# KiCad board vme-wren.kicad_pcb
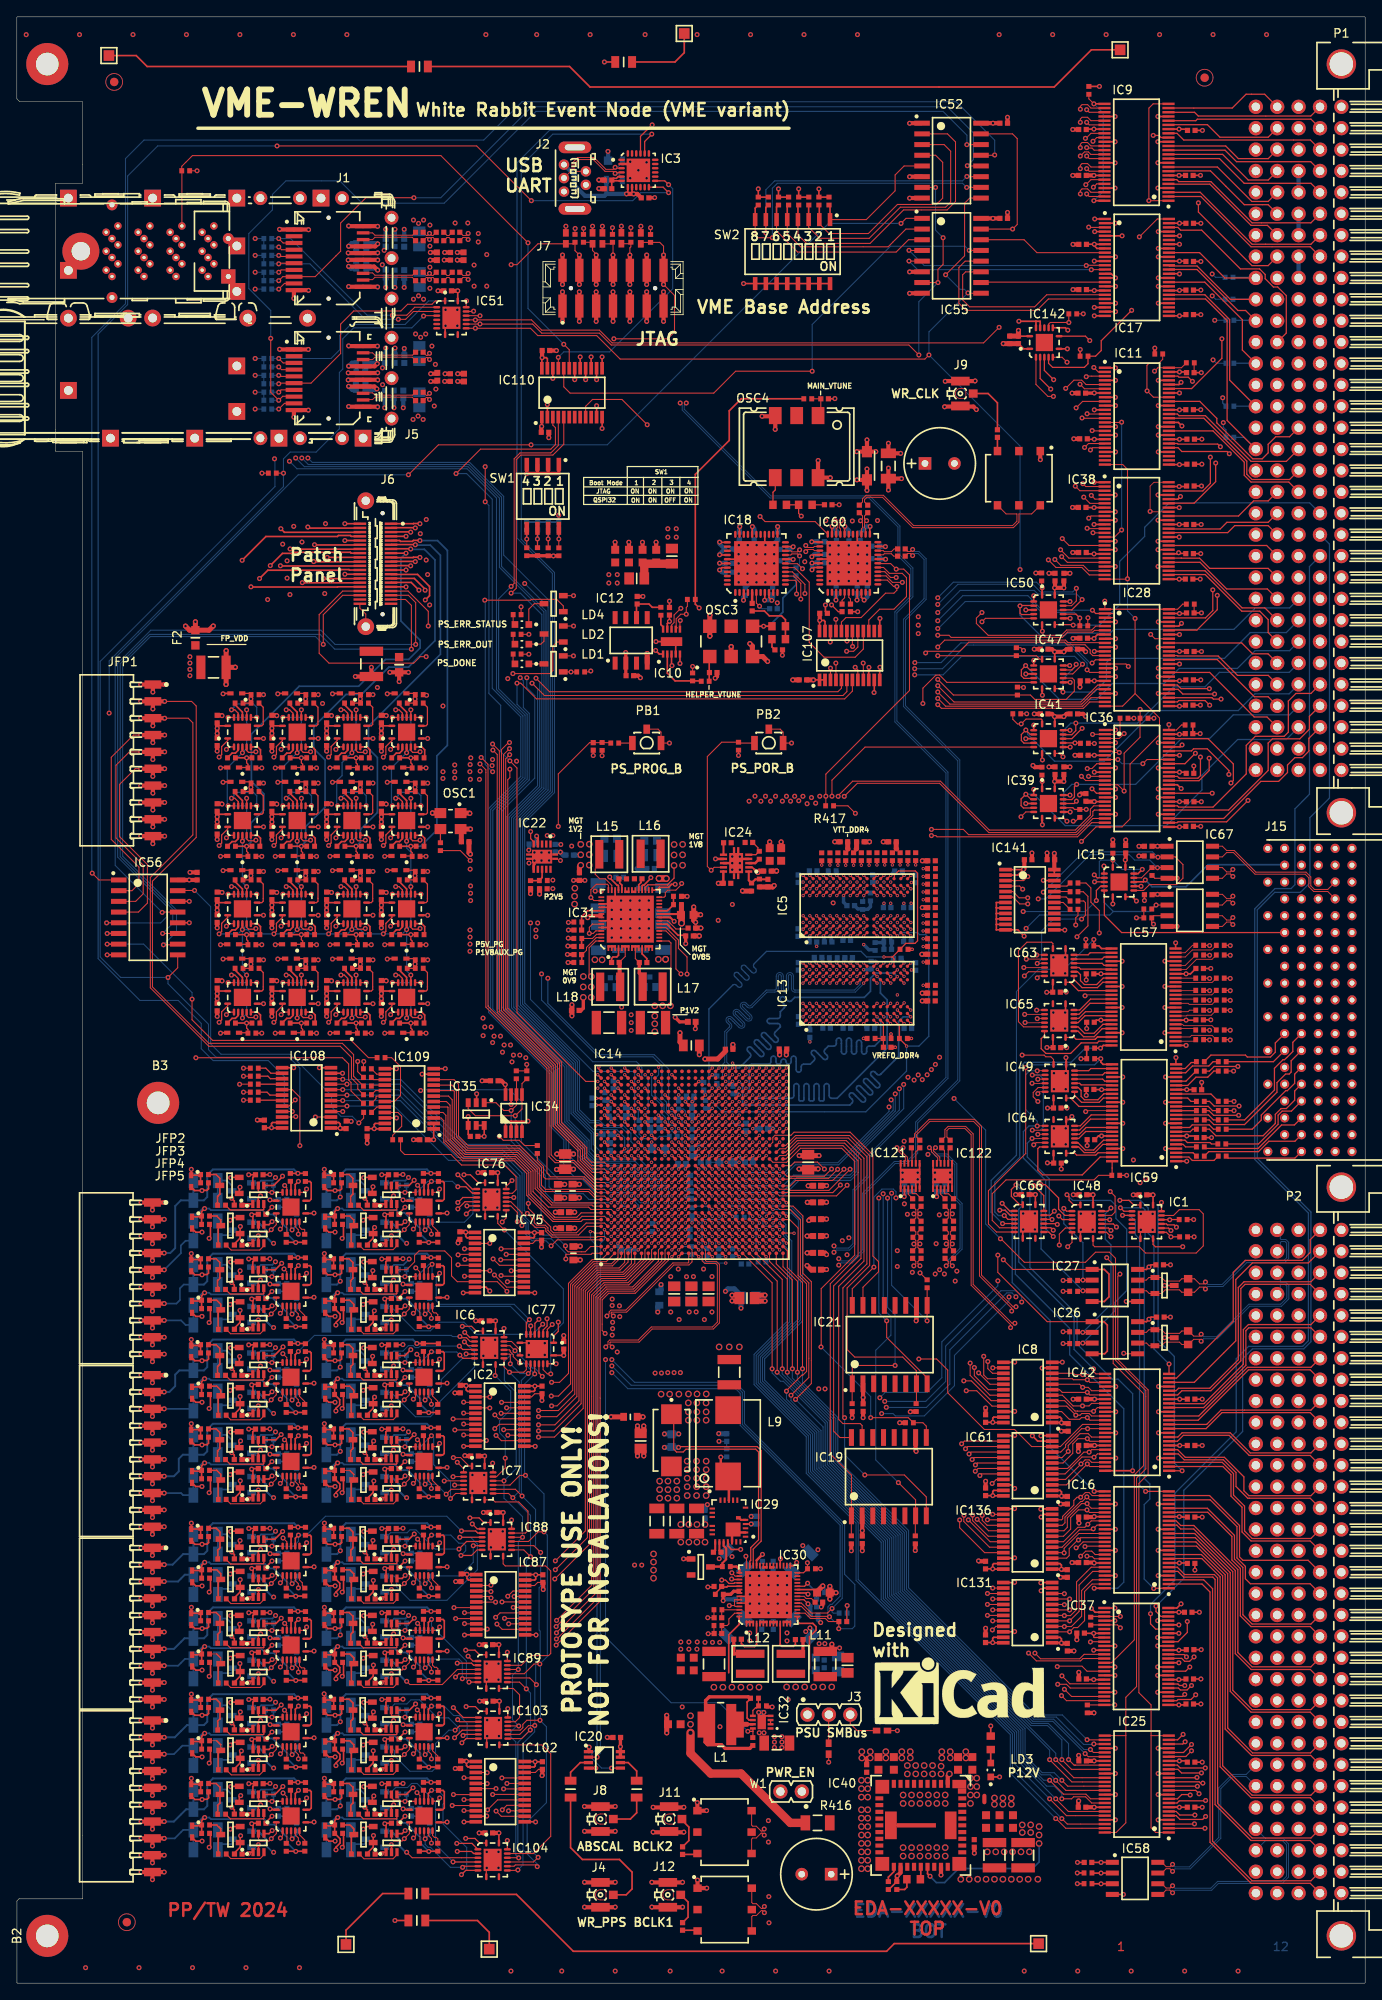
[diagram p0: board, top side]
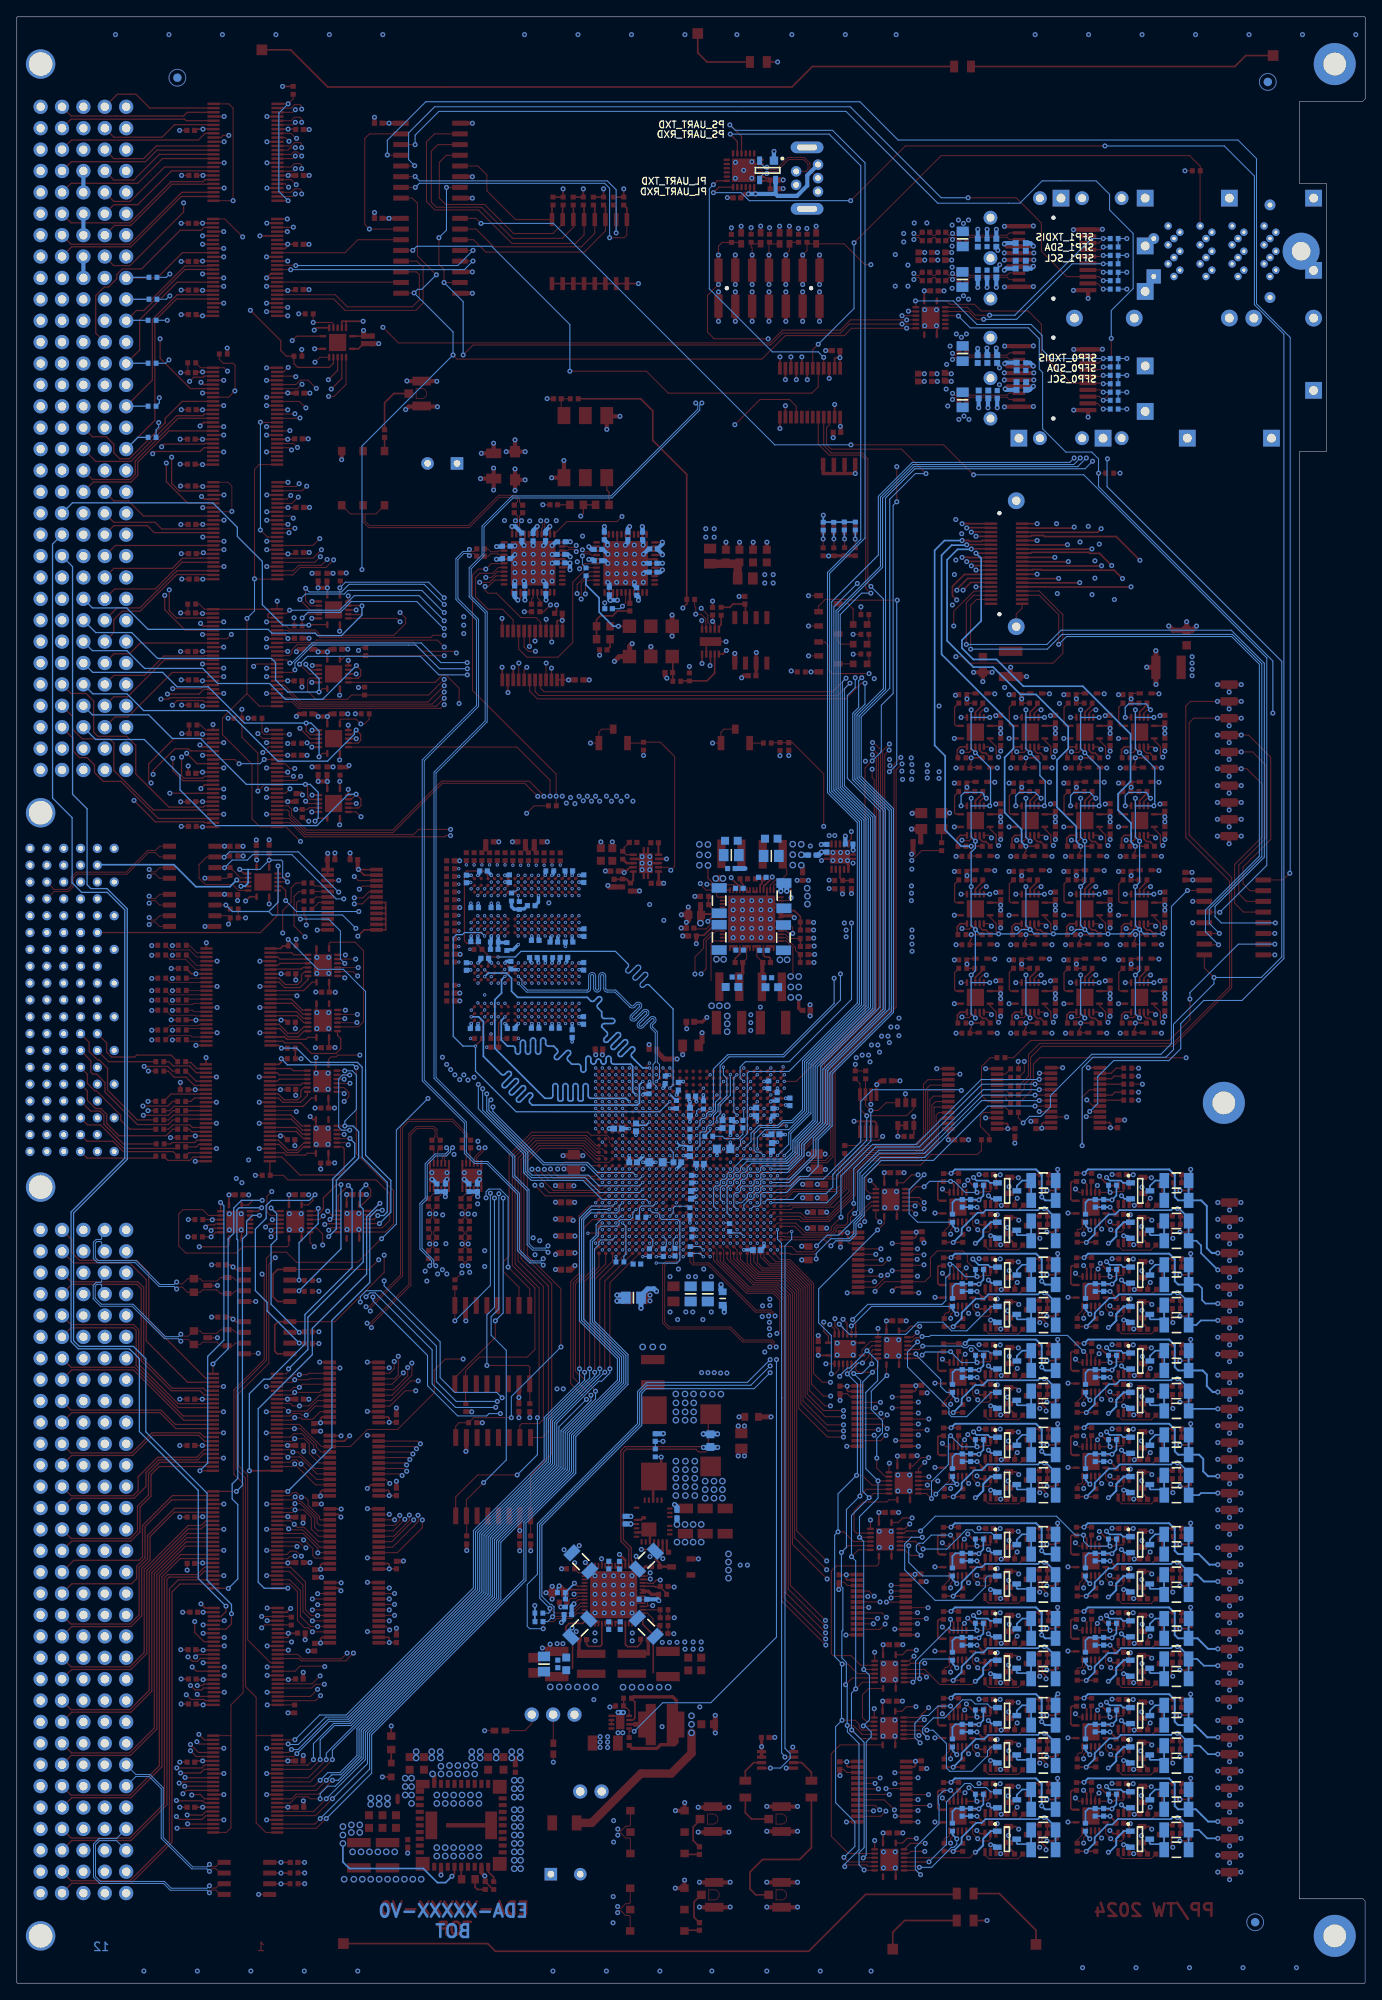
[diagram p1: board, bottom side, seen from below]

Outline 160.13 x 233.47 mm; copper layers: Top Layer, L2GND, L3, L4GND, L5, L6PWR, L7PWR, L8, L9GND, L10, L11GND, Bottom Layer. Coordinates in mm from the lower left corner of the outline.
Outline path: 92.89,233.47 0.06,233.47 arc(0.02,233.45) 0,233.4 0,223.76 arc(0,223.73) 0.02,223.71 0.33,223.4 arc(0.35,223.39) 0.37,223.38 7.81,223.39 7.81,215.95 7.81,213.7 4.62,213.7 arc(4.58,213.68) 4.56,213.63 4.56,211.2 4.56,184.45 4.56,181.95 arc(4.58,181.9) 4.62,181.88 7.81,181.89 7.82,17.55 7.82,10.01 0.28,10.01 arc(0.26,10.01) 0.24,9.99 0.03,9.78 0.01,9.74 0.01,0.06 arc(0.03,0.02) 0.07,0 160.06,0 arc(160.11,0.02) 160.13,0.06 160.13,233.4 arc(160.11,233.45) 160.06,233.47 92.89,233.47
Stack: Top Layer 0.018mm / dielectric 0.119mm IS400 2116 er 4.1 / L2GND 0.018mm / dielectric 0.203mm IS400 1x7628 er 4.4 / L3 0.018mm / dielectric 0.119mm IS400 2116 er 4.1 / L4GND 0.018mm / dielectric 0.203mm IS400 1x7628 er 4.4 / L5 0.018mm / dielectric 0.119mm IS400 2116 er 4.1 / L6PWR 0.035mm / dielectric 0.1mm IS400 1x2116 er 4.22 / L7PWR 0.035mm / dielectric 0.119mm IS400 2116 er 4.1 / L8 0.018mm / dielectric 0.203mm IS400 1x7628 er 4.4 / L9GND 0.018mm / dielectric 0.119mm IS400 2116 er 4.1 / L10 0.018mm / dielectric 0.203mm IS400 1x7628 er 4.4 / L11GND 0.018mm / dielectric 0.119mm IS400 2116 er 4.1 / Bottom Layer 0.018mm

## Placement (name value [footprint] x y rotation side)
B1  PLATED_HOLE2.7_PAD5.0  [MTG270_500]  3.61 227.86 0 top
B2  PLATED_HOLE2.7_PAD5.0  [MTG270_500]  3.61 5.61 90 top
B3  PLATED_HOLE2.7_PAD5.0  [MTG270_500]  16.78 104.52 0 top
C1  CC1206_10UF_25V_10%_X7R  [CAPC3216X180N]  78.38 54.86 90 top
C2  CC1206_10UF_25V_10%_X7R  [CAPC3216X180N]  76.01 54.86 90 top
C3  CC0402_10UF_6.3V_20%_X5R  [CAPC1005X70N]  41.4 189.64 90 bottom
C4  CC0402_10UF_6.3V_20%_X5R  [CAPC1005X70N]  40.26 189.64 90 bottom
C5  CC0402_100NF_16V_10%_X7R  [CAPC1005X55N]  43.69 188.64 270 bottom
C6  CC0402_10UF_6.3V_20%_X5R  [CAPC1005X70N]  53.1 190.63 270 top
C7  CC0402_10UF_6.3V_20%_X5R  [CAPC1005X70N]  49.93 190.74 90 top
C8  CC0402_100NF_16V_10%_X7R  [CAPC1005X55N]  51.48 190.63 270 top
C9  CC0402_10UF_6.3V_20%_X5R  [CAPC1005X70N]  46.01 192.83 270 bottom
C10  CC0402_10UF_6.3V_20%_X5R  [CAPC1005X70N]  41.38 191.95 270 bottom
C11  CC0402_10UF_6.3V_20%_X5R  [CAPC1005X70N]  44.86 192.84 270 bottom
C12  CC0402_10UF_6.3V_20%_X5R  [CAPC1005X70N]  44.75 188.64 90 bottom
C13  CC0402_10UF_6.3V_20%_X5R  [CAPC1005X70N]  45.89 188.64 90 bottom
C14  CC0402_100NF_16V_10%_X7R  [CAPC1005X55N]  55.65 78.64 0 top
C15  CC0603_22UF_10V_20%_X5R  [CAPC1608X90N]  75.93 169.44 270 top
C16  CC0603_22UF_10V_20%_X5R  [CAPC1608X90N]  74.31 169.44 270 top
C17  CC0603_22UF_10V_20%_X5R  [CAPC1608X90N]  71.06 169.44 270 top
C18  CC0603_22UF_10V_20%_X5R  [CAPC1608X90N]  72.7 169.44 270 top
C19  CC0402_4.7UF_6.3V_20%_X5R  [CAPC1005X55N]  70.33 103.4 90 bottom
C20  CC0402_100NF_16V_10%_X7R  [CAPC1005X55N]  62.37 70.43 270 top
C21  CC0402_100NF_16V_10%_X7R  [CAPC1005X55N]  52.66 70.54 270 top
C22  CC0402_100NF_16V_10%_X7R  [CAPC1005X55N]  139.29 201.02 180 top
C23  CC0402_100NF_16V_10%_X7R  [CAPC1005X55N]  126.58 206.45 0 top
C24  CC0402_100NF_16V_10%_X7R  [CAPC1005X55N]  54.35 62.59 0 top
C25  CC0402_4.7UF_6.3V_20%_X5R  [CAPC1005X55N]  69.83 105.29 270 bottom
C26  CC0402_10UF_6.3V_20%_X5R  [CAPC1005X70N]  65.1 89.64 180 top
C27  CC0603_47UF_6.3V_20%_X5R  [CAPC1608X100N]  66.1 86.66 90 top
C28  CC0402_100NF_16V_10%_X7R  [CAPC1005X55N]  46.85 92.59 270 bottom
C29  CC0402_10UF_6.3V_20%_X5R  [CAPC1005X70N]  65.1 91.54 180 top
C30  CC0402_4.7UF_6.3V_20%_X5R  [CAPC1005X55N]  86.49 85.39 0 bottom
C31  CC0402_4.7UF_6.3V_20%_X5R  [CAPC1005X55N]  81.95 86.79 90 bottom
C32  CC0402_10UF_6.3V_20%_X5R  [CAPC1005X70N]  81.68 97.46 0 bottom
C33  CC1210_330UF_4V_20%_X5R  [CAPC3225X280N]  84.6 72.54 270 top
C34  CC0805_100UF_4V_20%_X6S_MURATA_GRM21BC80G107ME15  [CAPC2013X145N]  65.12 97.55 90 top
C35  CC0805_100UF_4V_20%_X6S_MURATA_GRM21BC80G107ME15  [CAPC2013X145N]  78.07 81.84 90 top
C36  CC0805_100UF_4V_20%_X6S_MURATA_GRM21BC80G107ME15  [CAPC2013X145N]  80.1 81.84 90 top
C37  CC0805_100UF_4V_20%_X6S_MURATA_GRM21BC80G107ME15  [CAPC2013X145N]  80.1 81.84 90 bottom
C38  CC0603_47UF_6.3V_20%_X5R  [CAPC1608X100N]  66 94.07 90 top
C39  CC0402_10UF_6.3V_20%_X5R  [CAPC1005X70N]  78.99 97.28 0 bottom
C40  CC0603_47UF_6.3V_20%_X5R  [CAPC1608X100N]  72.86 67.24 0 top
C41  CC0402_10UF_6.3V_20%_X5R  [CAPC1005X70N]  86.94 97.46 180 bottom
C42  CC0603_47UF_6.3V_20%_X5R  [CAPC1608X100N]  76.3 81.29 90 bottom
C43  CC0402_10UF_6.3V_20%_X5R  [CAPC1005X70N]  95.03 86.71 180 top
C44  CC0805_100UF_4V_20%_X6S_MURATA_GRM21BC80G107ME15  [CAPC2013X145N]  86.9 81.39 180 bottom
C45  CC0402_10UF_6.3V_20%_X5R  [CAPC1005X70N]  95.03 88.71 180 top
C46  CC0402_10UF_6.3V_20%_X5R  [CAPC1005X70N]  95.03 84.71 180 top
C47  CC0402_100NF_16V_10%_X7R  [CAPC1005X55N]  47.85 92.59 270 bottom
C48  CC0402_27PF_50V_5%_C0G  [CAPC1005X55N]  73.9 101.99 270 bottom
C49  CC0402_4.7UF_6.3V_20%_X5R  [CAPC1005X55N]  85 86.74 90 bottom
C50  CC0402_100NF_16V_10%_X7R  [CAPC1005X55N]  126.58 201.08 180 top
C51  CC0402_100NF_16V_10%_X7R  [CAPC1005X55N]  139.29 198.11 0 top
C52  CC0402_1UF_25V_10%_X5R  [CAPC1005X55N]  70.2 214.09 180 top
C53  CC0402_100NF_16V_10%_X7R  [CAPC1005X55N]  70.21 213.06 180 top
C54  CC0402_100NF_16V_10%_X7R  [CAPC1005X55N]  139.29 204.42 180 top
C55  CC0402_100NF_16V_10%_X7R  [CAPC1005X55N]  139.29 208.95 0 top
C56  CC0402_100NF_16V_10%_X7R  [CAPC1005X55N]  139.41 183.32 180 top
C57  CC0402_100NF_16V_10%_X7R  [CAPC1005X55N]  139.41 180.35 180 top
C58  CC0402_10UF_6.3V_20%_X5R  [CAPC1005X70N]  95.03 92.71 180 top
C59  CC0402_100NF_16V_10%_X7R  [CAPC1005X55N]  98 163.29 90 top
C60  CC0402_100NF_16V_10%_X7R  [CAPC1005X55N]  47.8 188.9 180 top
C61  CC0402_100NF_16V_10%_X7R  [CAPC1005X55N]  47.8 187.9 180 top
C62  CC0402_100NF_16V_10%_X7R  [CAPC1005X55N]  126.68 183.36 180 top
C63  CC0402_100NF_16V_10%_X7R  [CAPC1005X55N]  126.48 188.79 180 top
C64  CC0402_100NF_16V_10%_X7R  [CAPC1005X55N]  47.8 192.65 180 top
C65  CC0402_100NF_16V_10%_X7R  [CAPC1005X55N]  99 163.29 90 top
C66  CC0402_100NF_16V_10%_X7R  [CAPC1005X55N]  89.85 163.19 180 bottom
C67  CC0402_10UF_6.3V_20%_X5R  [CAPC1005X70N]  80.15 114.14 0 top
C68  CC0402_1UF_25V_10%_X5R  [CAPC1005X55N]  90.36 171.84 90 bottom
C69  CC0402_1UF_25V_10%_X5R  [CAPC1005X55N]  87.56 171.84 90 bottom
C70  CC0402_100NF_16V_10%_X7R  [CAPC1005X55N]  139.28 186.82 180 top
C71  CC0402_100NF_16V_10%_X7R  [CAPC1005X55N]  139.36 191.22 0 top
C72  CC0402_100NF_16V_10%_X7R  [CAPC1005X55N]  139.45 63.84 180 top
C73  CC0402_100NF_16V_10%_X7R  [CAPC1005X55N]  139.45 69.34 180 top
C74  CC0402_100NF_16V_10%_X7R  [CAPC1005X55N]  126.55 69.34 0 top
C75  CC0402_100NF_16V_10%_X7R  [CAPC1005X55N]  82.7 155.61 180 top
C76  CC0402_100NF_16V_10%_X7R  [CAPC1005X55N]  95.93 188.12 180 top
C77  CC0402_4.7UF_6.3V_20%_X5R  [CAPC1005X55N]  72.8 155.24 180 top
C78  CC0402_4.7UF_6.3V_20%_X5R  [CAPC1005X55N]  73.67 164.2 270 top
C79  CC0805_100UF_4V_20%_X6S_MURATA_GRM21BC80G107ME15  [CAPC2013X145N]  82.15 81.84 90 top
C80  CC0402_10UF_6.3V_20%_X5R  [CAPC1005X70N]  88.74 101.46 180 bottom
C81  CC0805_100UF_4V_20%_X6S_MURATA_GRM21BC80G107ME15  [CAPC2013X145N]  74.09 64.38 90 top
C82  CC0402_10UF_6.3V_20%_X5R  [CAPC1005X70N]  80.19 103.46 270 bottom
C83  CC0805_100UF_4V_20%_X6S_MURATA_GRM21BC80G107ME15  [CAPC2013X145N]  86.71 81.34 180 top
C84  CC0402_10UF_6.3V_20%_X5R  [CAPC1005X70N]  80.19 98.66 90 bottom
C85  CC0805_100UF_4V_20%_X6S_MURATA_GRM21BC80G107ME15  [CAPC2013X145N]  78.07 81.84 90 bottom
C86  CC0402_10UF_6.3V_20%_X5R  [CAPC1005X70N]  80.05 93.59 270 bottom
C87  CC0402_100NF_16V_10%_X7R  [CAPC1005X55N]  126.55 63.84 0 top
C88  CC0402_100NF_16V_10%_X7R  [CAPC1005X55N]  139.45 49.84 180 top
C89  CC0402_100NF_16V_10%_X7R  [CAPC1005X55N]  47.8 193.65 180 top
C90  CC0402_4.7UF_6.3V_20%_X5R  [CAPC1005X55N]  84.59 110.88 0 top
C91  CC0402_4.7UF_6.3V_20%_X5R  [CAPC1005X55N]  90.99 110.91 0 top
C92  CC0402_470NF_6.3V_10%_X5R  [CAPC1005X55N]  85.05 106.04 90 bottom
C93  CC0402_470NF_6.3V_10%_X5R  [CAPC1005X55N]  79.97 105.32 180 bottom
C94  CC0402_470NF_6.3V_10%_X5R  [CAPC1005X55N]  83.13 107.26 270 bottom
C95  CC0402_470NF_6.3V_10%_X5R  [CAPC1005X55N]  81.57 106.49 270 bottom
C96  CC0402_470NF_6.3V_10%_X5R  [CAPC1005X55N]  80.19 100.95 90 bottom
C97  CC0402_10UF_6.3V_20%_X5R  [CAPC1005X70N]  86.59 101.62 90 bottom
C98  CC0402_470NF_6.3V_10%_X5R  [CAPC1005X55N]  80.02 95.46 270 bottom
C99  CC0402_10NF_16V_10%_X7R  [CAPC1005X55N]  99.04 127.94 180 bottom
C100  CC0603_47UF_6.3V_20%_X5R  [CAPC1608X100N]  64.25 94.04 90 top
C101  CC0402_10UF_6.3V_20%_X5R  [CAPC1005X70N]  76.31 101.99 270 bottom
C102  CC0402_10UF_6.3V_20%_X5R  [CAPC1005X70N]  43.7 192.84 270 bottom
C103  CC0402_100NF_16V_10%_X7R  [CAPC1005X55N]  40.3 191.94 90 bottom
C104  CC0805_100UF_4V_20%_X6S_MURATA_GRM21BC80G107ME15  [CAPC2013X145N]  93.98 97.47 90 top
C105  CC0402_10UF_6.3V_20%_X5R  [CAPC1005X70N]  70.04 100.79 0 bottom
C106  CC0402_10UF_6.3V_20%_X5R  [CAPC1005X70N]  95.03 90.71 180 top
C107  CC0402_10UF_6.3V_20%_X5R  [CAPC1005X70N]  72.25 87.04 180 bottom
C108  CC0402_10UF_6.3V_20%_X5R  [CAPC1005X70N]  70.46 99.29 270 bottom
C109  CC0402_100NF_16V_10%_X7R  [CAPC1005X55N]  139.45 55.34 180 top
C110  CC0402_100NF_16V_10%_X7R  [CAPC1005X55N]  126.55 55.34 0 top
C111  CC0402_100NF_16V_10%_X7R  [CAPC1005X55N]  126.55 49.94 0 top
C112  CC0402_100NF_25V_10%_X7R_YUDEN_TMK105B7104KVHF  [CAPC1005X55N]  108.62 127.71 0 top
C113  CC0402_100NF_25V_10%_X7R_YUDEN_TMK105B7104KVHF  [CAPC1005X55N]  108.63 133.26 0 top
C114  CC0402_100NF_16V_10%_X7R  [CAPC1005X55N]  131.69 134.64 270 top
C115  CC0402_1UF_25V_10%_X5R  [CAPC1005X55N]  91.11 170.24 0 bottom
C116  CC1206_47UF_25V_20%_X5R  [CAPC3216X180N]  103.5 180.14 270 top
C117  CAER_220UF_16V_20%_PANASONIC_16SEPC220MD  [CAPPR350-850X700_A]  109.6 180.44 0 top
C118  CC0402_100NF_16V_10%_X7R  [CAPC1005X55N]  53.25 135.53 180 top
C119  CC0402_10UF_6.3V_20%_X5R  [CAPC1005X70N]  75.21 102.03 90 bottom
C120  CC0402_220NF_16V_10%_X7R  [CAPC1005X55N]  71.95 131.12 180 top
C121  CC0402_1UF_25V_10%_X5R  [CAPC1005X55N]  95.45 171.14 180 bottom
C122  CC0402_1UF_25V_10%_X5R  [CAPC1005X55N]  98.82 171.69 90 bottom
C123  CC0402_1UF_25V_10%_X5R  [CAPC1005X55N]  97.34 171.73 90 bottom
C124  CC0402_100NF_16V_10%_X7R  [CAPC1005X55N]  139.48 219.98 180 top
C125  CC0402_100NF_16V_10%_X7R  [CAPC1005X55N]  139.25 214.64 180 top
C126  CC0402_15PF_50V_5%_C0G  [CAPC1005X55N]  86.94 135.44 0 top
C127  CC0402_4.7UF_6.3V_20%_X5R  [CAPC1005X55N]  98.22 135.52 0 top
C128  CC0402_100NF_25V_10%_X7R_YUDEN_TMK105B7104KVHF  [CAPC1005X55N]  100.18 135.52 180 top
C129  CC0402_1UF_25V_10%_X5R  [CAPC1005X55N]  102 170.62 0 bottom
C130  CC0402_100NF_25V_10%_X7R_YUDEN_TMK105B7104KVHF  [CAPC1005X55N]  103.99 135.52 0 top
C131  CC0402_100NF_25V_10%_X7R_YUDEN_TMK105B7104KVHF  [CAPC1005X55N]  108.62 117.55 0 top
C132  CC0402_1UF_25V_10%_X5R  [CAPC1005X55N]  84.34 130.59 180 top
C133  CC0603_22UF_10V_20%_X5R  [CAPC1608X90N]  89.41 134.01 270 top
C134  CC0603_22UF_10V_20%_X5R  [CAPC1608X90N]  90.77 134.01 270 top
C135  CC0402_1UF_25V_10%_X5R  [CAPC1005X55N]  89.15 132.04 180 top
C136  CC0402_10NF_16V_10%_X7R  [CAPC1005X55N]  89.2 130.61 90 top
C137  CC0402_10UF_6.3V_20%_X5R  [CAPC1005X70N]  95.04 94.67 180 top
C138  CC0402_100NF_16V_10%_X7R  [CAPC1005X55N]  126.55 220.09 0 top
C139  CC0402_100NF_16V_10%_X7R  [CAPC1005X55N]  126.55 214.64 0 top
C140  CC0402_100NF_16V_10%_X7R  [CAPC1005X55N]  84.39 135.4 180 top
C141  CC0402_100NF_16V_10%_X7R  [CAPC1005X55N]  123.3 143.96 90 top
C142  CC0402_100NF_16V_10%_X7R  [CAPC1005X55N]  124.35 143.96 90 top
C143  CC0402_100NF_16V_10%_X7R  [CAPC1005X55N]  139.45 20.89 180 top
C144  CC0402_100NF_16V_10%_X7R  [CAPC1005X55N]  139.45 26.24 180 top
C145  CC0402_100NF_16V_10%_X7R  [CAPC1005X55N]  126.5 20.89 0 top
C146  CC0402_4.7UF_6.3V_20%_X5R  [CAPC1005X55N]  108.62 116.63 0 top
C147  CC0402_100NF_16V_10%_X7R  [CAPC1005X55N]  126.58 26.39 0 top
C148  CC0402_1UF_25V_10%_X5R  [CAPC1005X55N]  74.61 211.97 0 top
C149  CC0402_1UF_25V_10%_X5R  [CAPC1005X55N]  84.56 168.59 180 bottom
C150  CC0402_4.7UF_6.3V_20%_X5R  [CAPC1005X55N]  94.54 123.62 180 bottom
C151  CC0402_1UF_25V_10%_X5R  [CAPC1005X55N]  84.56 167.54 180 bottom
C152  CC0402_1UF_25V_10%_X5R  [CAPC1005X55N]  85.81 171.84 90 bottom
C153  CC0402_100NF_25V_10%_X7R_YUDEN_TMK105B7104KVHF  [CAPC1005X55N]  104.7 132.05 0 bottom
C154  CC1210_220UF_6.3V_20%_X5R  [CAPC3225X280N]  82.8 37.9 90 top
C155  CC0402_4.7UF_6.3V_20%_X5R  [CAPC1005X55N]  104.56 121.69 0 bottom
C156  CC0402_100NF_25V_10%_X7R_YUDEN_TMK105B7104KVHF  [CAPC1005X55N]  94.18 112.74 90 bottom
C157  CC0402_4.7UF_6.3V_20%_X5R  [CAPC1005X55N]  68.31 104.64 270 bottom
C158  CC0402_100NF_16V_10%_X7R  [CAPC1005X55N]  100.4 52.64 270 top
C159  CC0402_100NF_16V_10%_X7R  [CAPC1005X55N]  100.5 68.34 270 top
C160  CC0805_100UF_4V_20%_X6S_MURATA_GRM21BC80G107ME15  [CAPC2013X145N]  70.53 133.84 0 bottom
C161  CC0603_22UF_10V_20%_X5R  [CAPC1608X90N]  70.53 135.89 0 bottom
C162  CC0402_100NF_16V_10%_X7R  [CAPC1005X55N]  96.36 175.54 180 top
C163  CC0402_100NF_16V_10%_X7R  [CAPC1005X55N]  42.09 87.63 180 top
C164  CC0402_4.7UF_6.3V_20%_X5R  [CAPC1005X55N]  42.07 92.38 0 top
C165  CC0402_100NF_16V_10%_X7R  [CAPC1005X55N]  90.48 158.31 180 top
C166  CC0402_100NF_16V_10%_X7R  [CAPC1005X55N]  122 150.7 180 top
C167  CC0402_100NF_16V_10%_X7R  [CAPC1005X55N]  125.53 150.7 0 top
C168  CC0402_100NF_16V_10%_X7R  [CAPC1005X55N]  125.53 158.39 0 top
C169  CC1206_10UF_25V_10%_X7R  [CAPC3216X180N]  80.73 54.86 90 top
C170  CC0402_100NF_16V_10%_X7R  [CAPC1005X55N]  44.93 91.29 0 top
C171  CC0402_1UF_25V_10%_X5R  [CAPC1005X55N]  81.73 55.69 90 bottom
C172  CC0402_100NF_16V_10%_X7R  [CAPC1005X55N]  44.59 95.99 0 top
C173  CC0402_100NF_16V_10%_X7R  [CAPC1005X55N]  122 158.39 180 top
C174  CC0402_4.7UF_6.3V_20%_X5R  [CAPC1005X55N]  92.8 131.14 90 bottom
C175  CC0402_4.7UF_6.3V_20%_X5R  [CAPC1005X55N]  101.45 120.87 90 bottom
C176  CC0402_100NF_16V_10%_X7R  [CAPC1005X55N]  32.05 92.59 270 bottom
C177  CC0402_100NF_16V_10%_X7R  [CAPC1005X55N]  26.29 87.63 180 top
C178  CC0402_470NF_6.3V_10%_X5R  [CAPC1005X55N]  105.76 127.71 180 bottom
C179  CC0402_470NF_6.3V_10%_X5R  [CAPC1005X55N]  103.36 127.71 180 bottom
C180  CC0402_68NF_16V_10%_X7R  [CAPC1005X55N]  94.58 132.07 180 bottom
C181  CC0402_68NF_16V_10%_X7R  [CAPC1005X55N]  101.64 131.14 90 bottom
C182  CC0402_470NF_6.3V_10%_X5R  [CAPC1005X55N]  106.75 120.71 90 bottom
C183  CC0402_470NF_6.3V_10%_X5R  [CAPC1005X55N]  105.82 113.35 180 bottom
C184  CC0402_68NF_16V_10%_X7R  [CAPC1005X55N]  96.17 113.39 180 bottom
C185  CC0402_68NF_16V_10%_X7R  [CAPC1005X55N]  101.42 113.35 0 bottom
C186  CC0402_100NF_16V_10%_X7R  [CAPC1005X55N]  123.3 166.95 90 top
C187  CC0402_100NF_16V_10%_X7R  [CAPC1005X55N]  124.35 166.95 90 top
C188  CC0603_22UF_10V_20%_X5R  [CAPC1608X90N]  111.78 26.09 270 top
C189  CC0402_100NF_16V_10%_X7R  [CAPC1005X55N]  31.05 92.59 270 bottom
C190  CC0402_4.7UF_6.3V_20%_X5R  [CAPC1005X55N]  26.27 92.38 0 top
C191  CC0402_100NF_16V_10%_X7R  [CAPC1005X55N]  29.13 91.29 0 top
C192  CC0402_100NF_16V_10%_X7R  [CAPC1005X55N]  28.79 95.99 0 top
C193  CC0603_22UF_10V_20%_X5R  [CAPC1608X90N]  104.15 26.09 270 top
C194  CC0402_4.7UF_6.3V_20%_X5R  [CAPC1005X55N]  92.77 124.74 270 bottom
C195  CC0402_4.7UF_6.3V_20%_X5R  [CAPC1005X55N]  98.79 121.76 180 bottom
C196  CC0603_22UF_10V_20%_X5R  [CAPC1608X90N]  102.33 26.09 270 top
C197  CC0603_22UF_10V_20%_X5R  [CAPC1608X90N]  113.48 26.09 270 top
C198  CC0402_470NF_6.3V_10%_X5R  [CAPC1005X55N]  106.75 131.1 90 bottom
C199  CC0402_470NF_6.3V_10%_X5R  [CAPC1005X55N]  105.76 123.67 180 bottom
C200  CC0402_68NF_16V_10%_X7R  [CAPC1005X55N]  98.56 123.81 180 bottom
C201  CC0402_68NF_16V_10%_X7R  [CAPC1005X55N]  96.36 123.62 180 bottom
C202  CC0402_470NF_6.3V_10%_X5R  [CAPC1005X55N]  95.16 121.78 0 bottom
C203  CC0402_470NF_6.3V_10%_X5R  [CAPC1005X55N]  92.81 120.73 90 bottom
C204  CC0402_68NF_16V_10%_X7R  [CAPC1005X55N]  92.83 114.3 270 bottom
C205  CC0402_68NF_16V_10%_X7R  [CAPC1005X55N]  98.57 113.38 180 bottom
C206  CAER_220UF_16V_20%_PANASONIC_16SEPC220MD  [CAPPR350-850X700_A]  94.96 12.94 180 top
C207  CC0402_100NF_16V_10%_X7R  [CAPC1005X55N]  32.05 82.59 270 bottom
C208  CC0402_100NF_16V_10%_X7R  [CAPC1005X55N]  31.05 82.59 270 bottom
C209  CC0402_100NF_16V_10%_X7R  [CAPC1005X55N]  26.29 77.63 180 top
C210  CC0402_4.7UF_6.3V_20%_X5R  [CAPC1005X55N]  26.27 82.38 0 top
C211  CC0402_1UF_25V_10%_X5R  [CAPC1005X55N]  100.93 25.49 270 top
C212  CC1210_220UF_6.3V_20%_X5R  [CAPC3225X280N]  116.1 15.19 270 top
C213  CC0402_1UF_25V_10%_X5R  [CAPC1005X55N]  63.92 134.76 90 bottom
C214  CC0402_4.7UF_6.3V_20%_X5R  [CAPC1005X55N]  62.53 129.94 0 top
C215  CC0402_100NF_16V_10%_X7R  [CAPC1005X55N]  135.73 85.29 180 top
C216  CC0402_100NF_16V_10%_X7R  [CAPC1005X55N]  135.8 79.08 180 top
C217  CC0402_100NF_16V_10%_X7R  [CAPC1005X55N]  126.61 93.61 0 top
C218  CC0402_100NF_16V_10%_X7R  [CAPC1005X55N]  84.51 170.29 180 bottom
C219  CC0402_100NF_16V_10%_X7R  [CAPC1005X55N]  123.56 103.91 180 top
C220  CC0402_1UF_25V_10%_X5R  [CAPC1005X55N]  61.28 135.26 0 bottom
C221  CC0805_100UF_4V_20%_X6S_MURATA_GRM21BC80G107ME15  [CAPC2013X145N]  98.65 37.74 90 top
C222  CC0402_100NF_16V_10%_X7R  [CAPC1005X55N]  134.36 129.24 0 top
C223  CC0402_100NF_16V_10%_X7R  [CAPC1005X55N]  127.21 14.34 0 top
C224  CC0402_100NF_25V_10%_X7R_YUDEN_TMK105B7104KVHF  [CAPC1005X55N]  103.36 111.12 180 top
C225  CC0402_100NF_25V_10%_X7R_YUDEN_TMK105B7104KVHF  [CAPC1005X55N]  103.43 122.75 180 bottom
C226  CC0402_100NF_16V_10%_X7R  [CAPC1005X55N]  140.56 100.39 180 top
C227  CC0402_100NF_16V_10%_X7R  [CAPC1005X55N]  140.26 106.08 180 top
C228  CC0402_100NF_16V_10%_X7R  [CAPC1005X55N]  127.56 100.15 180 top
C229  CC0402_100NF_16V_10%_X7R  [CAPC1005X55N]  127.46 106.12 180 top
C230  CC0402_100NF_16V_10%_X7R  [CAPC1005X55N]  50.25 206.89 0 top
C231  CC0402_2.2UF_16V_10%_X5R  [CAPC1005X55N]  65.65 133.94 180 bottom
C232  CC0402_100NF_25V_10%_X7R_YUDEN_TMK105B7104KVHF  [CAPC1005X55N]  108.62 122.16 0 top
C233  CC0402_100NF_16V_10%_X7R  [CAPC1005X55N]  50.25 207.89 0 top
C234  CC0402_100NF_16V_10%_X7R  [CAPC1005X55N]  126.74 154.62 0 top
C235  CC0402_100NF_16V_10%_X7R  [CAPC1005X55N]  139.33 173.19 180 top
C236  CC0402_100NF_16V_10%_X7R  [CAPC1005X55N]  139.36 162.69 180 top
C237  CC0402_100NF_16V_10%_X7R  [CAPC1005X55N]  126.52 175.22 0 top
C238  CC0402_100NF_16V_10%_X7R  [CAPC1005X55N]  139.28 154.74 0 top
C239  CC0402_100NF_16V_10%_X7R  [CAPC1005X55N]  126.55 169.87 180 top
C240  CC0402_100NF_16V_10%_X7R  [CAPC1005X55N]  139.24 151.75 0 top
C241  CC0402_100NF_16V_10%_X7R  [CAPC1005X55N]  139.37 177.76 0 top
C242  CC0402_100NF_16V_10%_X7R  [CAPC1005X55N]  126.7 159.69 0 top
C243  CC0402_100NF_16V_10%_X7R  [CAPC1005X55N]  139.28 169.73 180 top
C244  CC0402_100NF_16V_10%_X7R  [CAPC1005X55N]  139.36 158.11 0 top
C245  CC0805_100UF_4V_20%_X6S_MURATA_GRM21BC80G107ME15  [CAPC2013X145N]  97.52 37.89 90 bottom
C246  CC0402_100NF_16V_10%_X7R  [CAPC1005X55N]  100.05 175.04 270 top
C247  CC0402_100NF_16V_10%_X7R  [CAPC1005X55N]  116.45 183.99 270 top
C248  CC0402_100NF_16V_10%_X7R  [CAPC1005X55N]  101.05 175.04 270 top
C249  CC0402_100NF_16V_10%_X7R  [CAPC1005X55N]  139.22 166.71 0 top
C250  CC0402_100NF_16V_10%_X7R  [CAPC1005X55N]  126.96 140.79 270 top
C251  CC0402_100NF_16V_10%_X7R  [CAPC1005X55N]  126.78 145.79 0 top
C252  CC0402_100NF_16V_10%_X7R  [CAPC1005X55N]  139.21 148.36 0 top
C253  CC0402_100NF_16V_10%_X7R  [CAPC1005X55N]  139.33 143.65 0 top
C254  CC0402_100NF_16V_10%_X7R  [CAPC1005X55N]  139.35 140.27 180 top
C255  CC0402_1UF_25V_10%_X5R  [CAPC1005X55N]  102 169.14 0 bottom